# Altium PCB 2-quilter-output.PcbDoc (part 1 of 26) (continued)
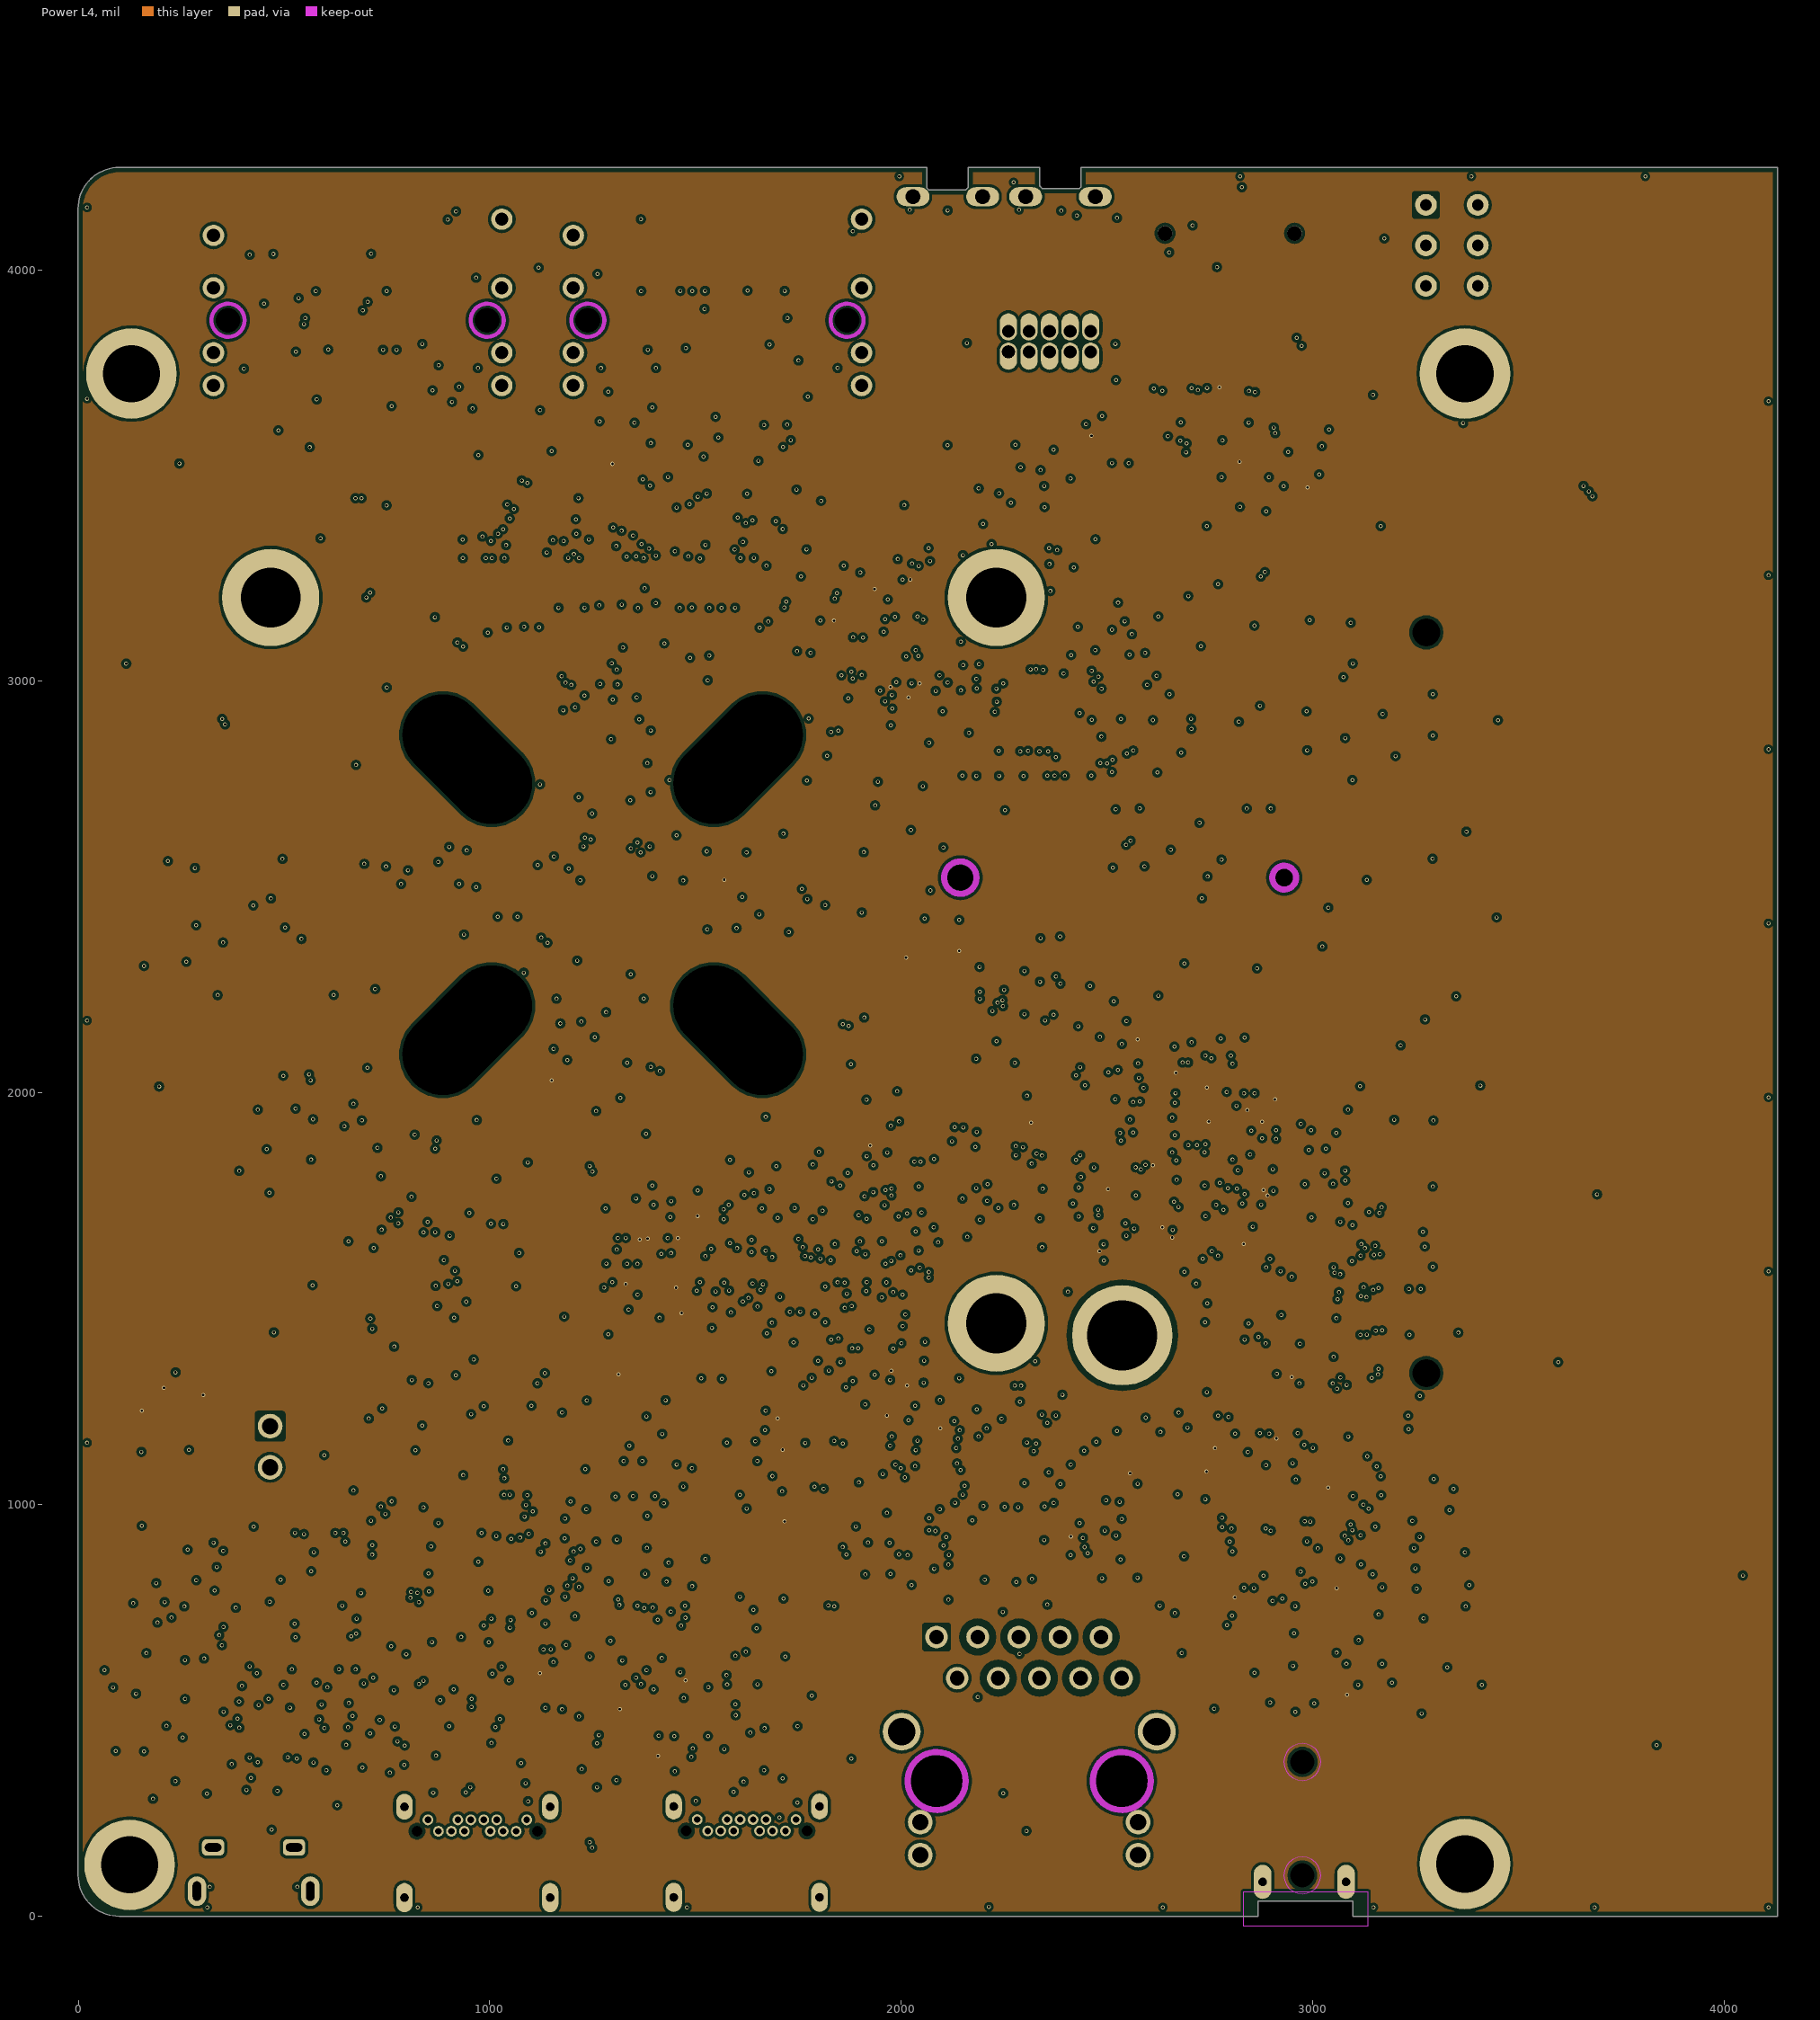
[diagram p4: Power L4]
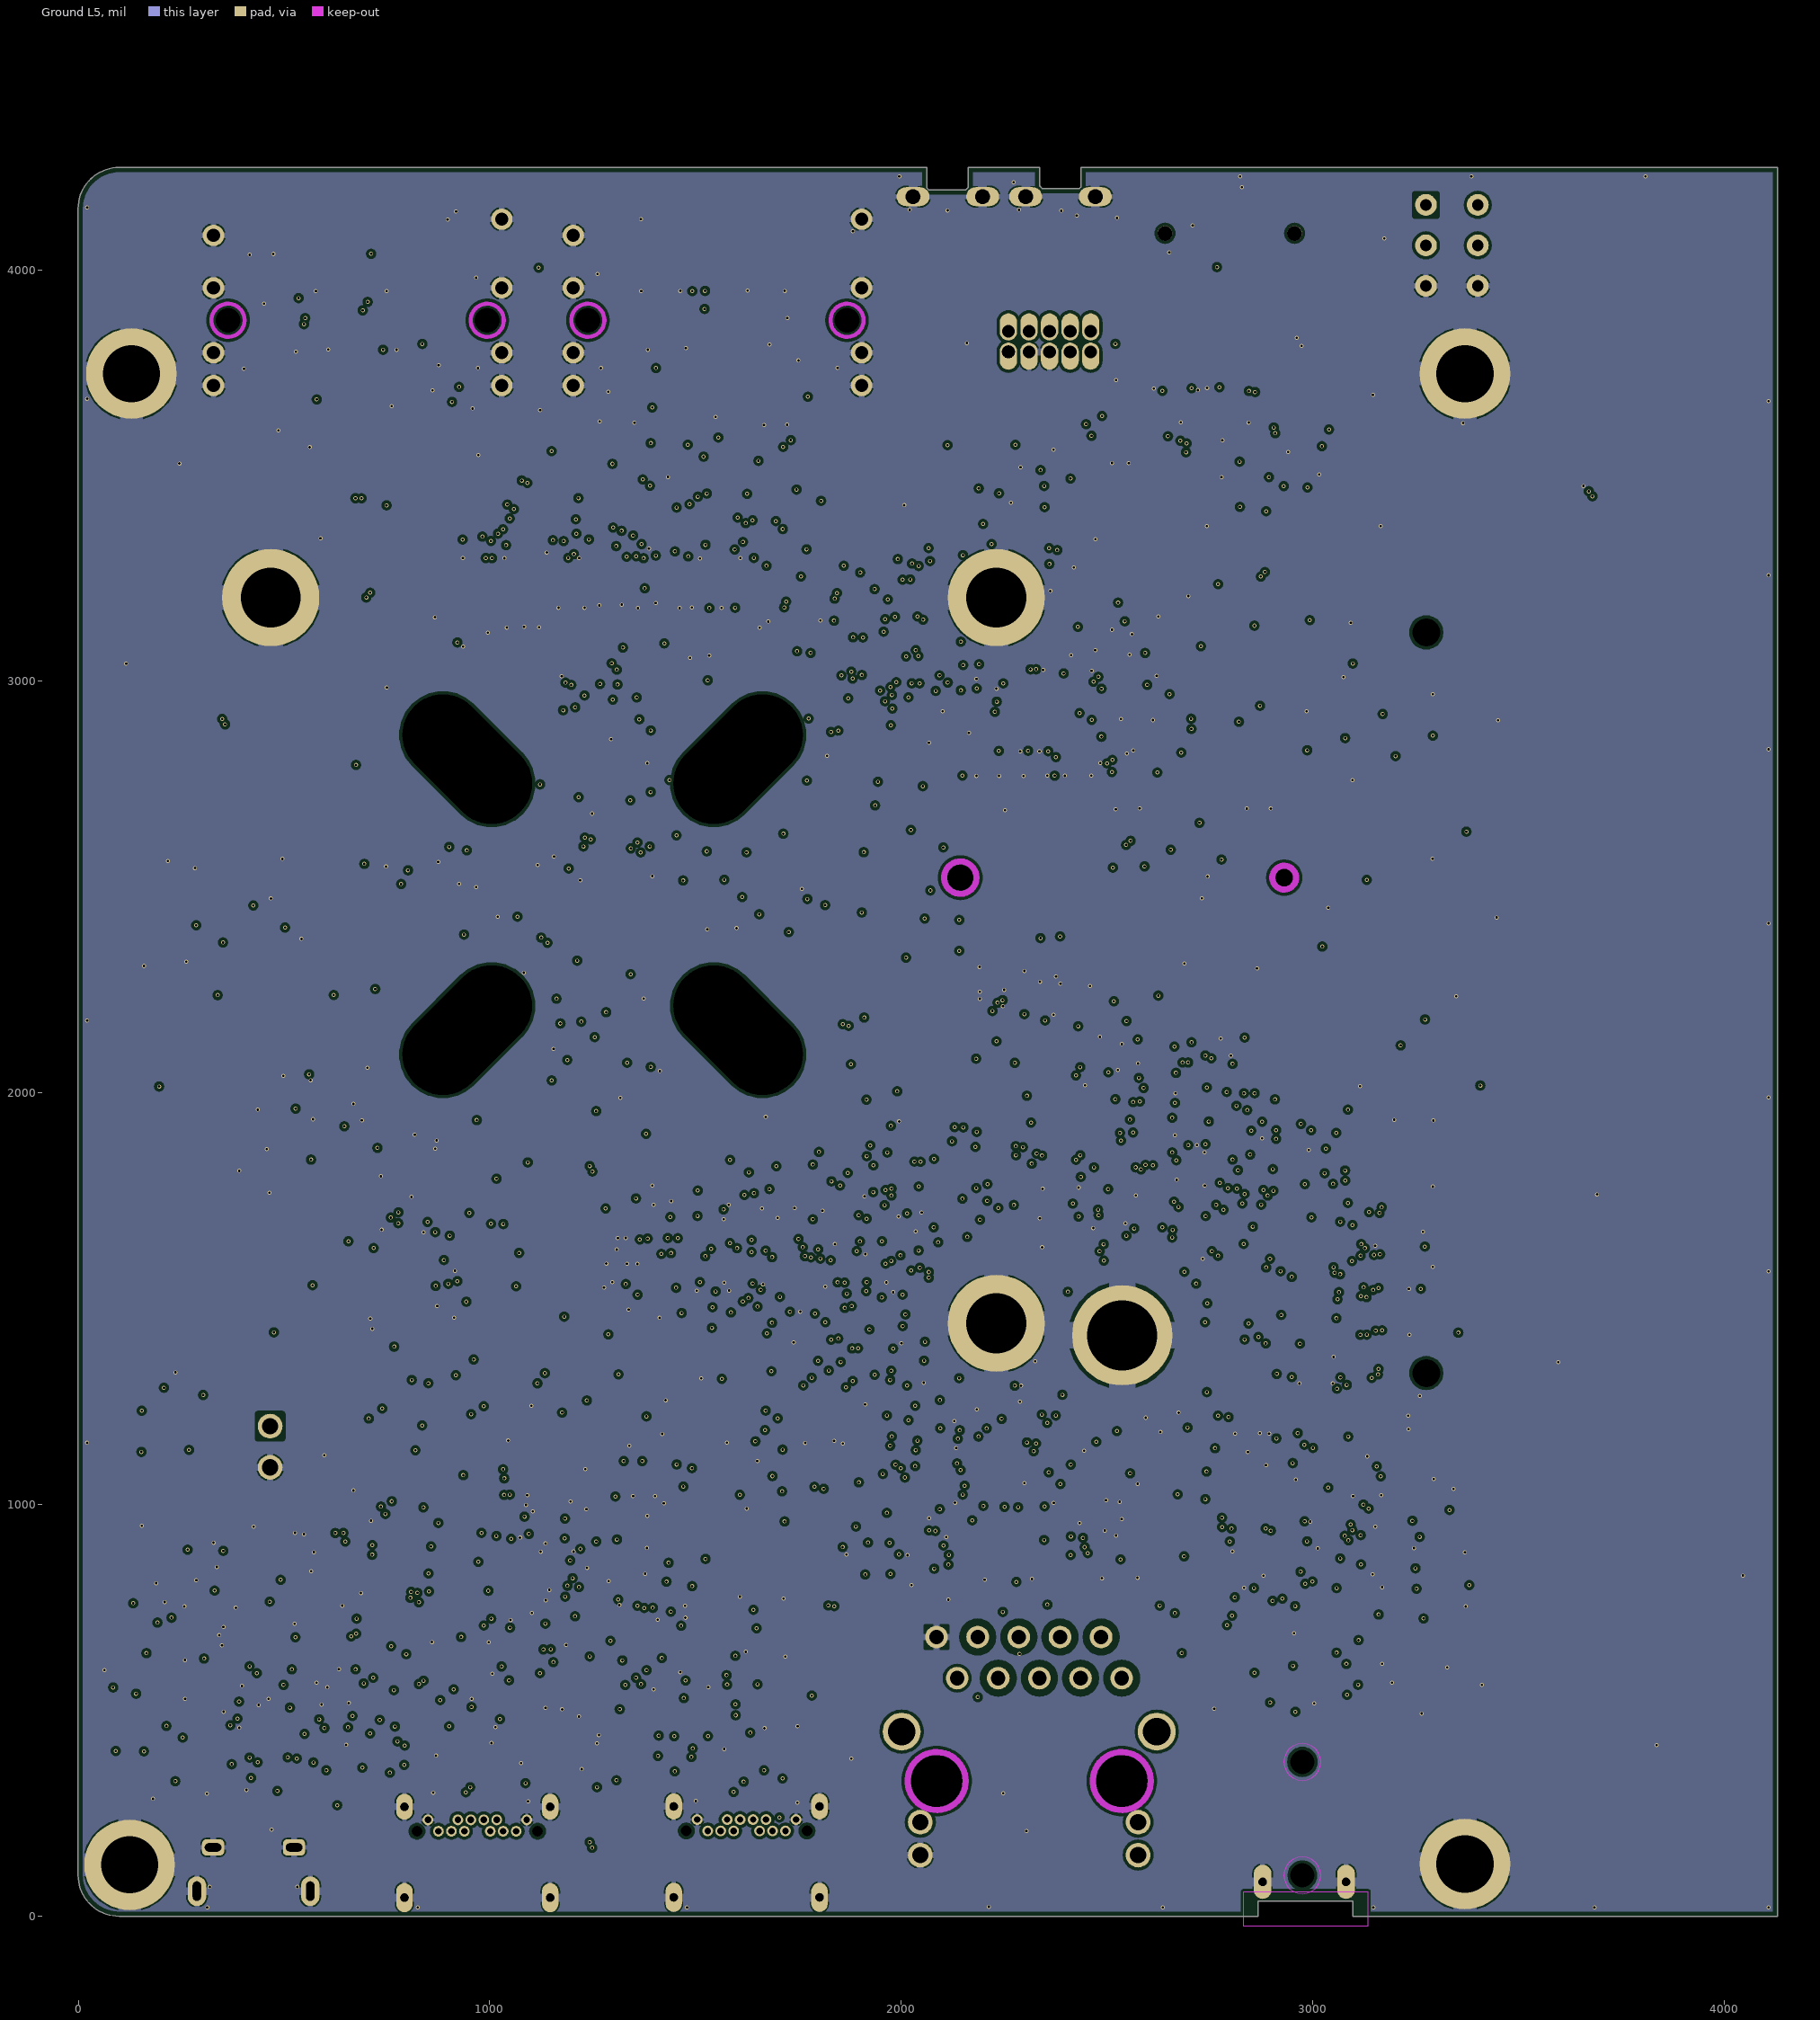
[diagram p5: Ground L5]
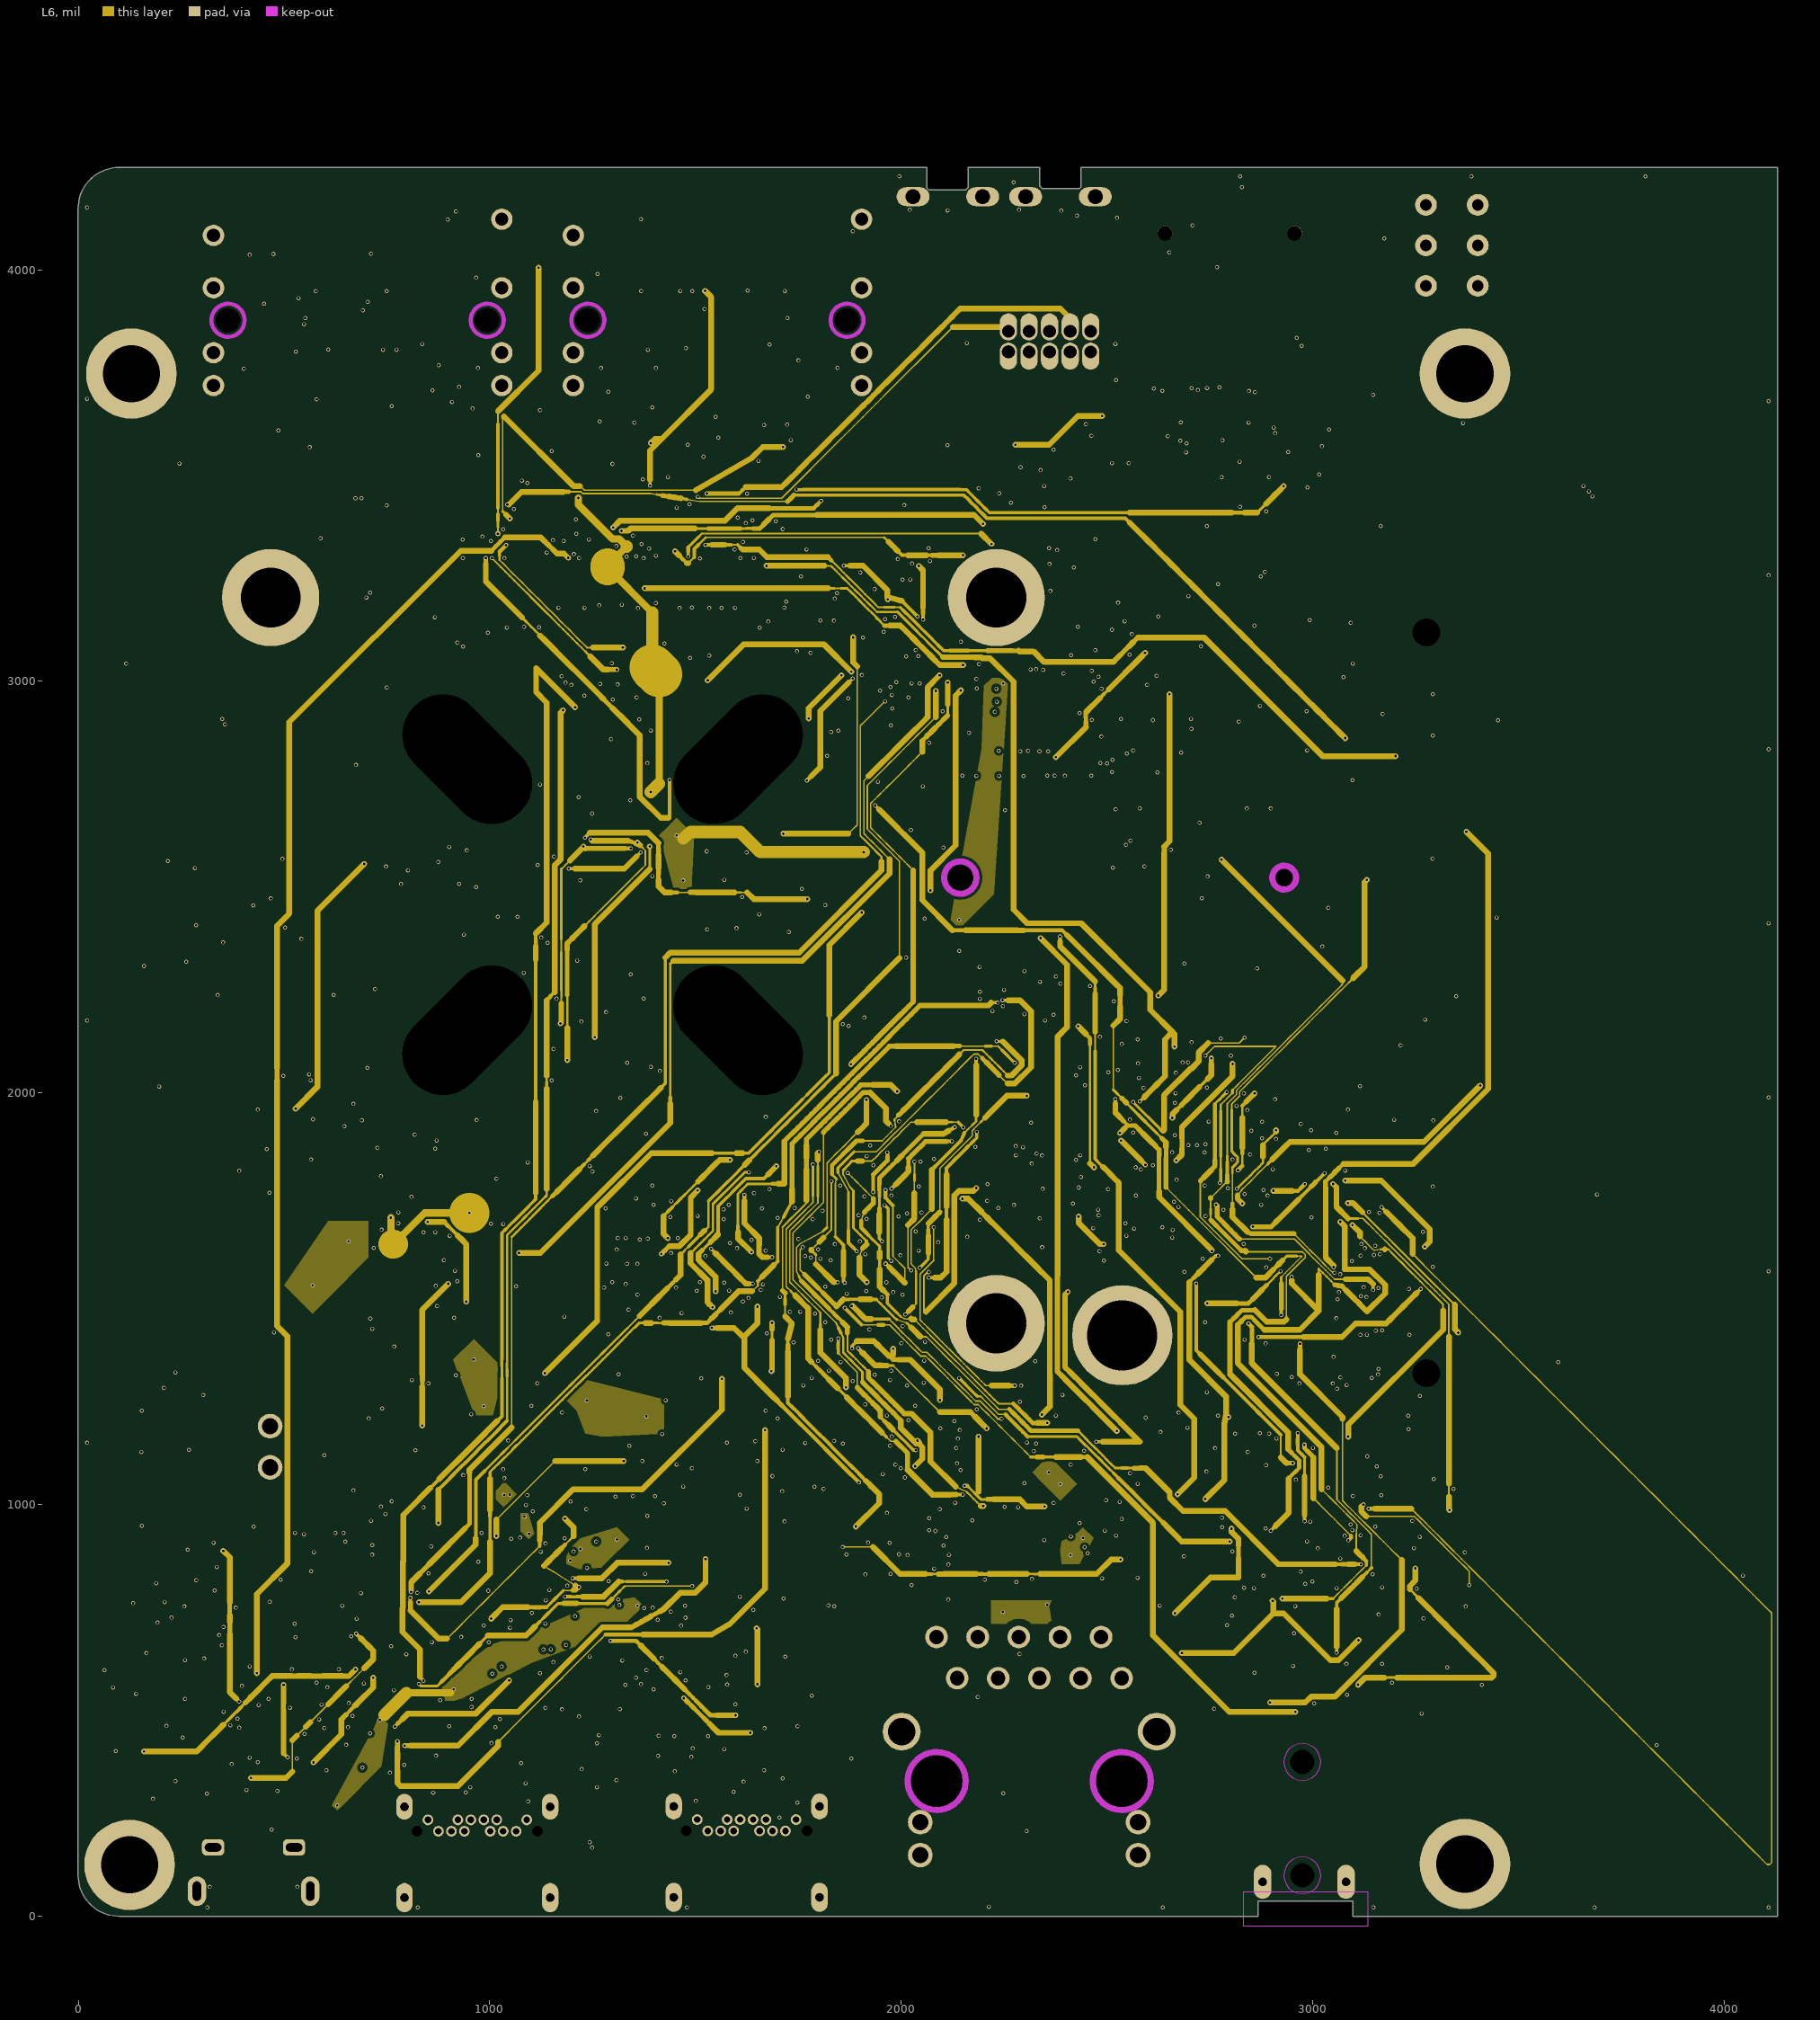
[diagram p6: L6]